# KiCad board kim-1.kicad_pcb (continued)
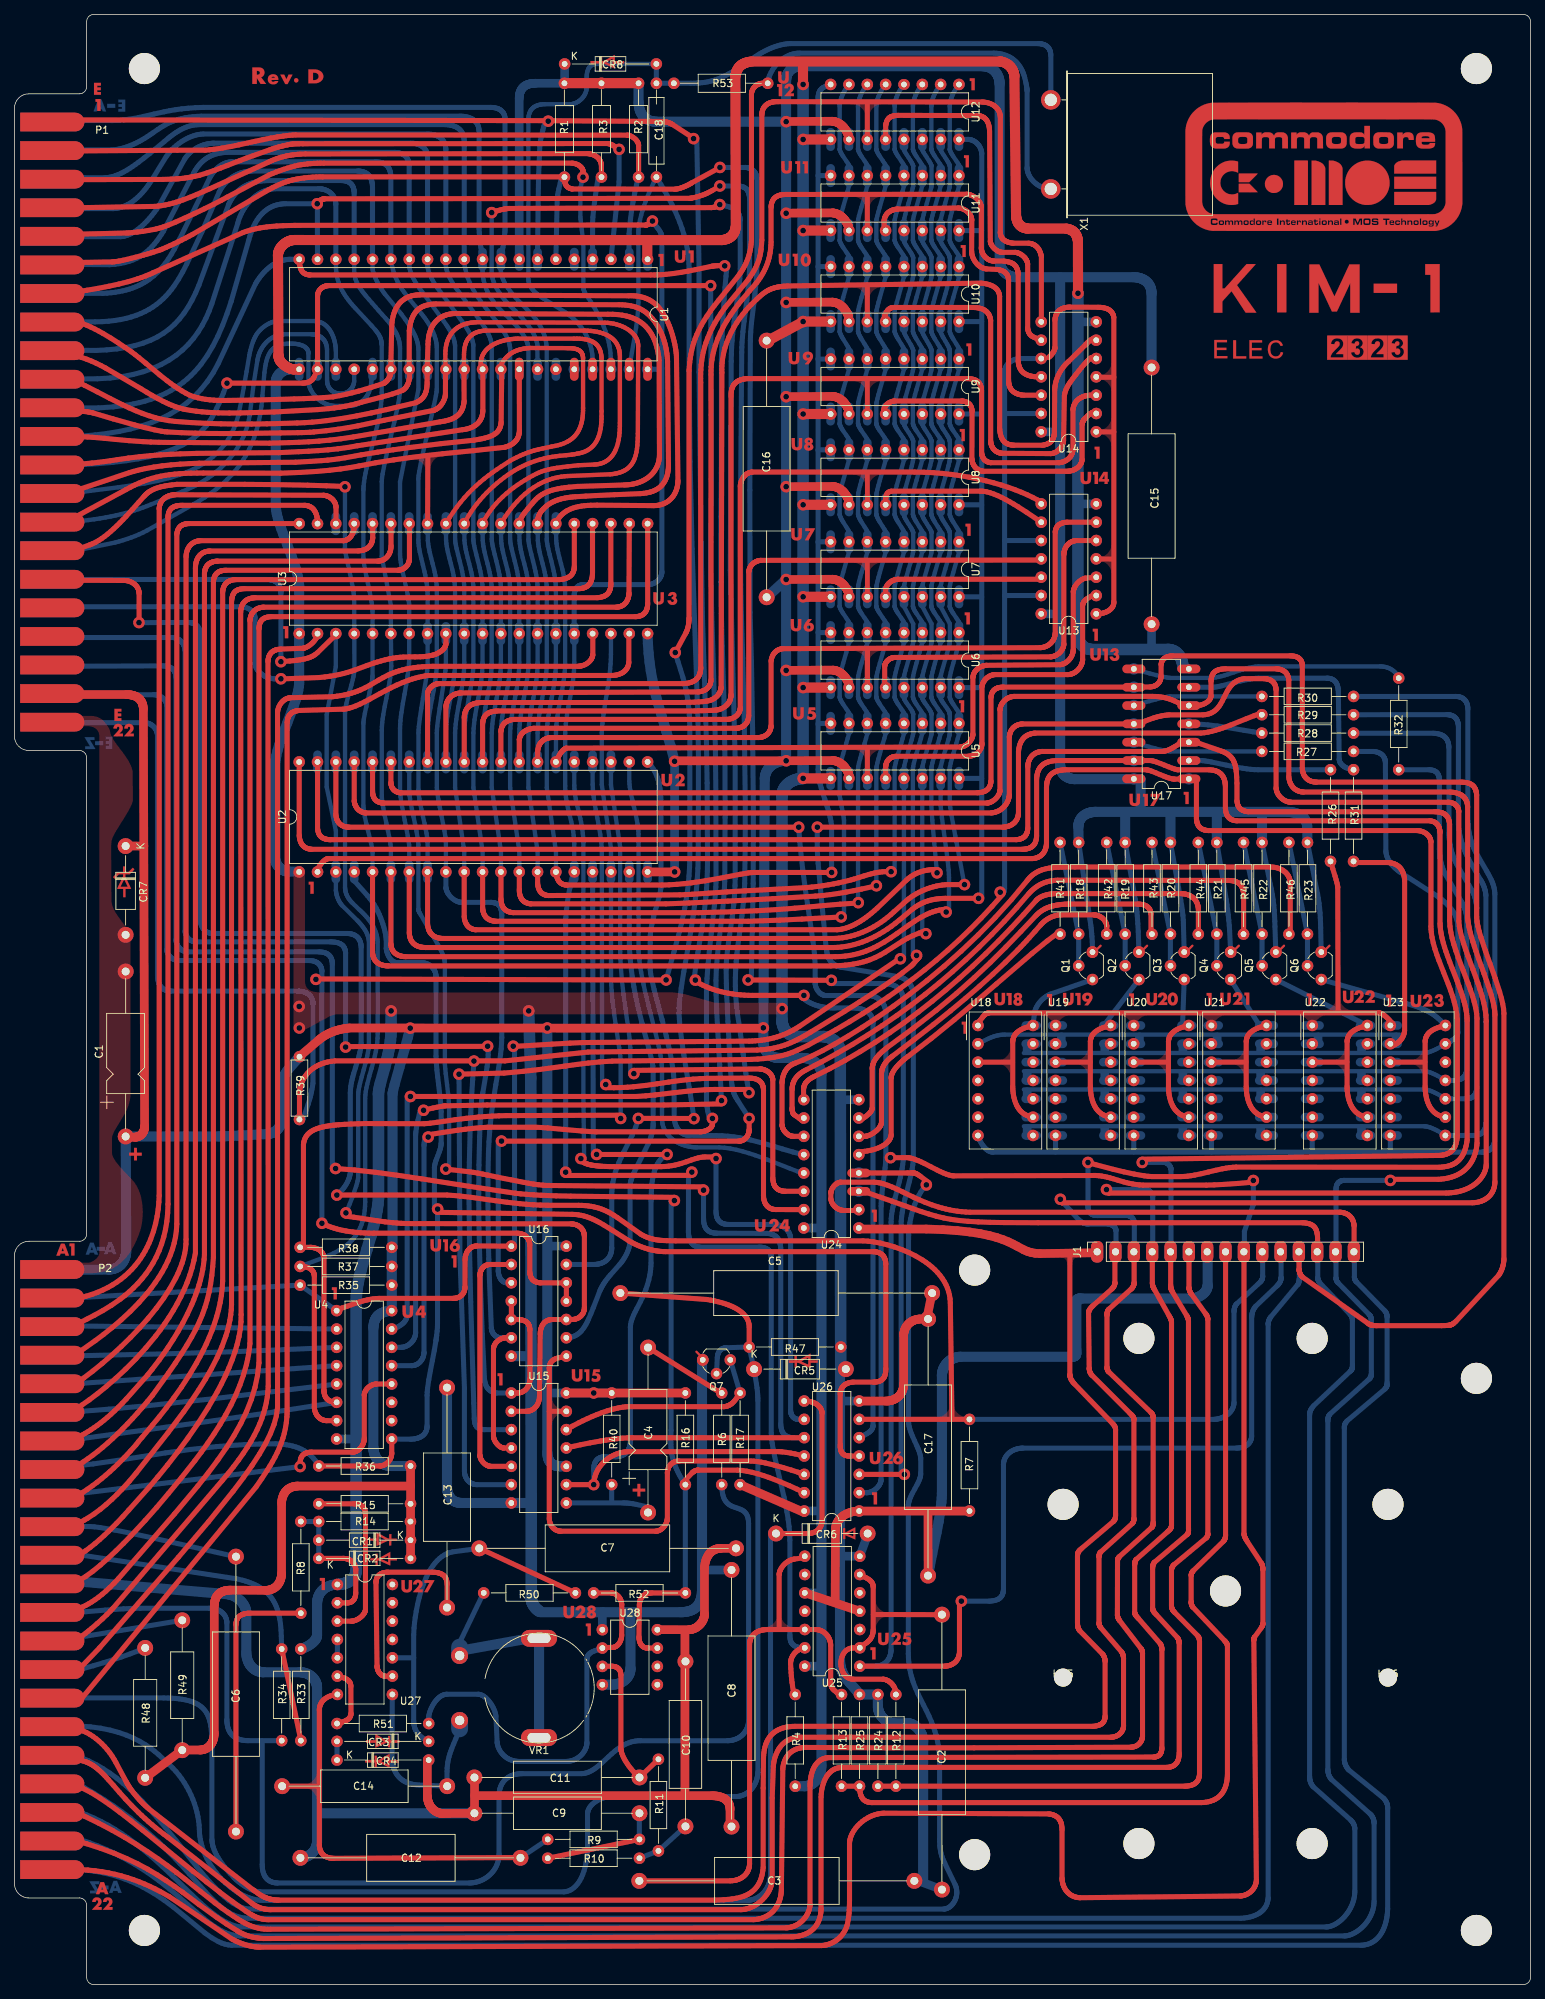
[diagram p0: board, top side]
## Routing (per net, layer and track width the routed paths; a pad name or vN(x,y) marks a point on that pad's centre or on a via; arc(x,y) is an arc through that point) (continued)
  vias: v1(41.76,139.29) v1(42.59,105.49) v1(90.26,139.21) v1(91.53,184.58)
/Ø1: length 92.4
  Top w0.7: 83.67,254.35 83.57,254.41 83.38,254.54 83.19,254.67 83.09,254.74 82.99,254.8 82.89,254.85 82.79,254.91 82.69,254.96 82.59,255 82.49,255.04 82.38,255.07 82.27,255.09 82.22,255.1 82.16,255.11 39.95,255.08 39.42,255.07 39.15,255.07 38.87,255.06 38.59,255.04 38.46,255.03 38.32,255.02 38.19,255 38.05,254.98 37.93,254.95 37.8,254.92 37.18,254.78 36.89,254.71 36.6,254.63 36.3,254.55 36,254.46 35.7,254.36 35.38,254.25 33.06,253.42 32.14,253.1 31.25,252.76 29.49,252.07 28.58,251.72 27.64,251.37 26.65,251.03 25.6,250.7 24.94,250.56 24.63,250.5 24.31,250.44 23.99,250.38 23.64,250.33 23.26,250.28 22.85,250.24 22.63,250.22 22.36,250.2 21.73,250.18 20.53,250.14 7.56,250.1
  Bottom w0.7: 82.62,239.07 83.75,249.78 83.75,254.31
  vias: v1(83.75,254.3)
/Ø2: length 197.6
  Top w0.7: 36.94,183.32 38.16,183.41 38.68,183.46 39.14,183.51 39.55,183.57 39.91,183.64 40.23,183.7 40.52,183.78 40.77,183.85 40.99,183.94 41.19,184.02 41.37,184.12 41.53,184.22 41.68,184.32 41.97,184.55 44.62,187.16 ; 45.93,106.47 47.02,106.33 48.09,106.17 50.23,105.84 51.32,105.69 52.43,105.57 53,105.52 53.58,105.49 54.17,105.46 54.78,105.45 77.06,105.41 77.16,105.41 77.26,105.4 77.36,105.39 77.45,105.37 77.55,105.35 77.64,105.33 77.73,105.3 77.81,105.28 77.89,105.24 77.98,105.21 78.05,105.17 78.13,105.12 78.2,105.08 78.27,105.03 78.34,104.98 78.4,104.92 78.46,104.87 78.52,104.8 78.57,104.74 78.63,104.68 78.67,104.61 78.72,104.54 78.76,104.46 78.79,104.39 78.83,104.31 78.85,104.23 78.88,104.15 78.9,104.06 78.92,103.97 78.93,103.89 78.94,103.79 78.94,103.7 78.94,93.82 78.94,93.73 78.94,93.64 78.92,93.55 78.91,93.46 78.89,93.37 78.87,93.29 78.84,93.21 78.81,93.13 78.77,93.06 78.73,92.99 78.69,92.92 78.64,92.85 78.59,92.79 78.54,92.72 78.49,92.67 78.43,92.61 78.37,92.56 78.3,92.51 78.24,92.46 78.17,92.42 78.1,92.38 78.03,92.34 77.96,92.31 77.88,92.28 77.81,92.25 77.73,92.23 77.65,92.21 77.57,92.19 77.49,92.18 77.41,92.17 77.33,92.16 77.25,92.16 74.45,92.16 74.36,92.15 74.27,92.14 74.18,92.13 74.09,92.11 74.01,92.08 73.93,92.06 73.85,92.03 73.77,91.99 73.7,91.96 73.63,91.91 73.56,91.87 73.5,91.82 73.44,91.77 73.38,91.71 73.32,91.65 73.27,91.59 73.22,91.52 73.18,91.45 73.13,91.38 73.09,91.31 73.05,91.23 73.02,91.15 72.98,91.06 72.95,90.98 72.93,90.89 72.9,90.79 72.88,90.7 72.86,90.6 72.85,90.5 72.84,90.39 72.82,90.18 72.72,81.38 72.71,81.29 72.7,81.2 72.67,81.02 72.63,80.84 72.57,80.66 72.5,80.5 72.46,80.42 72.41,80.34 72.36,80.26 72.31,80.18 72.26,80.11 72.2,80.04 72.14,79.97 72.07,79.91 72,79.85 71.93,79.79 71.86,79.74 71.78,79.69 71.7,79.64 71.62,79.6 71.54,79.56 71.45,79.53 71.36,79.5 71.27,79.48 71.17,79.46 71.07,79.44 70.97,79.43 70.87,79.43 68.84,79.43
  Bottom w0.6: 45.92,106.89 46.18,107.53 46.45,108.19 46.76,108.99 47.07,109.84 47.34,110.65 47.45,111.02 47.53,111.35 47.59,111.63 47.61,111.85 47.61,123.34 47.63,123.67 47.69,124.04 47.76,124.44 47.86,124.86 48.1,125.77 48.37,126.74 48.64,127.72 48.76,128.2 48.87,128.68 48.96,129.15 49.04,129.59 49.08,130.02 49.1,130.43 49.1,144.51 49.08,144.71 49.05,144.91 49.01,145.11 48.95,145.31 48.88,145.5 48.79,145.69 48.7,145.88 48.6,146.06 48.48,146.25 48.36,146.42 48.23,146.6 48.09,146.78 47.95,146.95 47.8,147.12 47.64,147.29 47.48,147.46 45.4,149.52 45.3,149.62 45.21,149.74 45.13,149.86 45.05,149.99 44.97,150.13 44.9,150.27 44.83,150.41 44.77,150.56 44.72,150.7 44.67,150.85 44.63,151 44.59,151.14 44.56,151.29 44.54,151.43 44.53,151.56 44.52,151.69 44.52,159.86 43.25,165.95 43.25,175.97 44.51,182.62 44.51,187.19
  Bottom w0.7: 36.91,183.3 36.91,192.77 36.9,192.9 36.9,193.02 36.89,193.13 36.87,193.25 36.85,193.35 36.83,193.46 36.8,193.55 36.77,193.65 36.73,193.74 36.69,193.82 36.65,193.9 36.6,193.98 36.55,194.05 36.49,194.12 36.43,194.19 36.37,194.25 36.3,194.31 36.23,194.36 36.16,194.41 36.08,194.45 36,194.49 35.91,194.53 35.82,194.56 35.73,194.59 35.64,194.62 35.54,194.64 35.43,194.66 35.33,194.68 35.11,194.7 34.87,194.7 7.58,194.7
  vias: v1(36.91,183.31) v1(45.92,106.93)
RS: length 133.6
  Top w0.7: 167.76,101.53 167.76,62.29 167.75,62.18 167.75,62.12 167.74,62.06 167.73,62.01 167.72,61.95 167.71,61.9 167.69,61.84 167.68,61.79 167.66,61.73 167.63,61.68 167.6,61.63 167.57,61.57 167.54,61.52 167.5,61.47 167.45,61.41 163.28,57.34 163.25,57.31 163.22,57.27 163.19,57.24 163.17,57.2 163.14,57.16 163.12,57.12 163.09,57.08 163.07,57.04 163.06,57 163.04,56.96 163.02,56.91 163.01,56.87 163,56.82 162.99,56.77 162.99,56.72 162.99,56.67 162.99,53.06 162.99,53.01 162.99,52.96 162.99,52.91 163,52.86 163,52.81 163.01,52.76 163.02,52.71 163.04,52.66 163.05,52.61 163.07,52.57 163.09,52.52 163.11,52.47 163.14,52.42 163.17,52.38 163.2,52.33 163.23,52.28 167.62,47.65 167.67,47.6 167.72,47.55 167.76,47.49 167.8,47.44 167.84,47.4 167.87,47.35 167.9,47.3 167.93,47.26 167.95,47.21 167.97,47.17 167.98,47.13 167.99,47.08 168,47.04 168.01,47 168.01,46.95 168.01,46.91 168.01,29.17 168.01,28.88 167.99,28.61 167.96,28.36 167.92,28.11 167.87,27.88 167.82,27.66 167.75,27.45 167.68,27.25 167.6,27.06 167.51,26.89 167.42,26.72 167.32,26.57 167.21,26.42 167.09,26.29 166.97,26.16 166.85,26.05 166.72,25.94 166.58,25.84 166.44,25.75 166.3,25.67 166.15,25.59 166,25.53 165.69,25.41 165.37,25.33 165.04,25.27 164.7,25.23 164.37,25.21 118.83,25.21 118.68,25.22 118.54,25.23 118.4,25.25 118.28,25.28 118.16,25.31 118.05,25.35 117.95,25.39 117.86,25.44 117.77,25.5 117.69,25.56 117.61,25.62 117.55,25.69 117.49,25.77 117.43,25.84 117.38,25.92 117.33,26.01 117.29,26.09 117.26,26.18 117.23,26.27 117.2,26.36 117.17,26.46 117.15,26.55 117.12,26.74 117.1,26.94 117.08,27.13 117.07,27.49 114.57,27.49
SST: length 305.2
  Top w0.7: 44.65,109.4 59.95,109.4 60.83,109.34 61.69,109.26 63.35,109.08 66.59,108.62 68.26,108.4 70,108.2 70.91,108.12 71.86,108.06 72.85,108.01 73.88,107.98 78.13,107.98 78.61,107.97 79.07,107.94 79.5,107.89 79.9,107.83 80.28,107.76 80.64,107.67 80.98,107.57 81.3,107.46 81.61,107.34 81.91,107.21 82.19,107.07 82.47,106.93 83,106.61 83.51,106.28 86.74,103.99 87.05,103.82 87.35,103.67 87.66,103.54 87.96,103.43 88.27,103.34 88.57,103.27 88.87,103.21 89.17,103.17 89.47,103.13 89.77,103.11 90.36,103.08 91.56,103.06 117.53,103.06 118.24,103.01 119.05,102.91 119.93,102.74 120.88,102.51 121.86,102.22 122.87,101.86 123.87,101.44 124.85,100.95 125.8,100.39 126.25,100.08 126.68,99.76 127.09,99.42 127.48,99.06 127.85,98.68 128.19,98.29 128.5,97.87 128.78,97.44 129.02,96.99 129.23,96.52 129.39,96.03 129.52,95.52 129.6,95 129.63,94.45 129.86,78.36 ; 117.02,78.32 132.29,78.32 ; 17.27,188.65 17.27,192.76 17.26,192.86 17.25,192.96 17.24,193.06 17.22,193.16 17.19,193.25 17.16,193.34 17.12,193.43 17.08,193.51 17.03,193.59 16.98,193.67 16.93,193.75 16.86,193.82 16.8,193.89 16.73,193.96 16.66,194.02 16.59,194.08 16.51,194.14 16.43,194.2 16.26,194.29 16.09,194.38 15.9,194.45 15.72,194.5 15.53,194.54 15.34,194.56 15.24,194.56 15.15,194.56 7.9,194.59
  Bottom w0.7: 44.66,109.4 44.91,109.61 45.17,109.87 45.32,110.04 45.48,110.22 45.65,110.43 45.81,110.66 45.96,110.91 46.11,111.18 46.24,111.47 46.3,111.62 46.36,111.78 46.41,111.94 46.45,112.1 46.49,112.27 46.52,112.44 46.52,123.56 46.54,124.01 46.59,124.47 46.66,124.91 46.75,125.35 46.86,125.78 46.98,126.21 47.24,127.07 47.51,127.91 47.63,128.33 47.75,128.75 47.85,129.17 47.93,129.6 47.99,130.02 48.02,130.45 48.02,143.73 48.01,143.94 48,144.04 47.99,144.14 47.97,144.24 47.95,144.33 47.92,144.42 47.89,144.51 47.86,144.6 47.82,144.68 47.78,144.76 47.74,144.84 47.69,144.92 47.64,144.99 47.58,145.05 47.52,145.12 47.46,145.18 47.39,145.24 47.32,145.29 47.24,145.34 47.16,145.39 47.08,145.43 46.99,145.47 46.9,145.51 46.81,145.54 46.71,145.57 46.61,145.59 46.5,145.61 46.39,145.63 46.28,145.64 46.16,145.65 46.04,145.65 27.45,145.65 27.34,145.65 27.24,145.66 27.14,145.68 27.04,145.7 26.95,145.73 26.86,145.76 26.77,145.8 26.68,145.84 26.6,145.89 26.53,145.94 26.46,145.99 26.39,146.05 26.32,146.11 26.26,146.18 26.2,146.24 26.14,146.32 26.09,146.39 26.04,146.47 25.96,146.63 25.88,146.81 25.82,146.99 25.77,147.17 25.74,147.36 25.72,147.55 25.71,147.75 25.71,187.15 25.71,187.25 25.7,187.34 25.69,187.43 25.68,187.52 25.66,187.61 25.64,187.69 25.61,187.76 25.59,187.84 25.55,187.91 25.52,187.98 25.48,188.05 25.44,188.11 25.39,188.17 25.34,188.23 25.29,188.29 25.23,188.34 25.17,188.39 25.11,188.43 25.04,188.48 24.97,188.52 24.9,188.55 24.83,188.59 24.75,188.62 24.66,188.65 24.58,188.67 24.49,188.69 24.3,188.72 24.1,188.74 23.89,188.75 17.24,188.71 ; 132.28,78.32 166.14,78.32 166.27,78.32 166.39,78.34 166.51,78.35 166.63,78.37 166.75,78.4 166.87,78.43 167,78.46 167.12,78.5 167.23,78.54 167.35,78.59 167.47,78.64 167.58,78.7 167.69,78.76 167.8,78.82 167.9,78.89 168,78.97 168.1,79.04 168.19,79.13 168.28,79.21 168.37,79.3 168.45,79.4 168.52,79.49 168.59,79.6 168.66,79.7 168.71,79.81 168.77,79.92 168.81,80.04 168.85,80.16 168.88,80.28 168.9,80.41 168.92,80.54 168.92,80.68 168.92,93.23 168.93,93.32 168.93,93.42 168.94,93.5 168.95,93.59 168.97,93.67 168.99,93.75 169.01,93.82 169.03,93.89 169.06,93.96 169.09,94.02 169.12,94.08 169.15,94.14 169.18,94.19 169.22,94.24 169.26,94.29 169.3,94.34 172.26,97.07 172.51,97.3 172.56,97.36 172.61,97.41 172.66,97.47 172.71,97.53 172.75,97.59 172.79,97.66 172.8,97.69 172.82,97.73 172.83,97.77 172.84,97.81 172.86,97.85 172.87,97.89 172.87,97.93 172.88,97.98 172.89,98.03 172.89,98.08 172.89,98.13 172.89,98.19 172.89,101.54
  vias: v1(17.25,188.73) v1(44.66,109.4)
ST: length 122.4
  Top w0.7: 162.68,101.55 162.68,96.59 162.69,96.53 162.69,96.47 162.7,96.41 162.71,96.35 162.73,96.29 162.74,96.24 162.76,96.18 162.78,96.12 162.8,96.07 162.82,96.02 162.85,95.96 162.88,95.91 162.91,95.86 162.94,95.81 162.97,95.76 163,95.71 164.96,92.99 165.03,92.91 165.06,92.86 165.09,92.82 165.12,92.77 165.14,92.72 165.17,92.68 165.19,92.62 165.22,92.57 165.24,92.52 165.25,92.46 165.27,92.4 165.28,92.34 165.29,92.28 165.3,92.21 165.3,92.15 165.3,62.48 165.3,62.44 165.3,62.4 165.3,62.35 165.29,62.31 165.28,62.27 165.27,62.23 165.26,62.19 165.24,62.15 165.23,62.11 165.21,62.07 165.19,62.03 165.16,61.99 165.13,61.96 165.1,61.92 165.06,61.89 165.02,61.85 160.63,58.19 160.58,58.15 160.54,58.11 160.51,58.06 160.47,58.02 160.44,57.97 160.41,57.93 160.38,57.88 160.36,57.83 160.34,57.78 160.32,57.73 160.3,57.68 160.29,57.62 160.28,57.57 160.27,57.51 160.27,57.45 160.26,57.4 160.26,52.51 160.27,52.44 160.27,52.38 160.28,52.31 160.29,52.25 160.31,52.19 160.33,52.13 160.35,52.06 160.38,52 160.4,51.95 160.44,51.89 160.47,51.83 160.51,51.78 160.56,51.72 160.6,51.67 160.65,51.61 160.71,51.56 163.89,48.33 163.92,48.29 163.96,48.25 163.99,48.21 164.01,48.16 164.04,48.12 164.06,48.07 164.07,48.02 164.09,47.97 164.1,47.92 164.11,47.87 164.12,47.82 164.13,47.77 164.14,47.71 164.14,47.65 164.14,47.6 164.15,47.54 164.15,29.25 164.14,29.11 164.13,28.98 164.11,28.86 164.09,28.74 164.06,28.63 164.03,28.53 163.99,28.43 163.94,28.34 163.9,28.26 163.84,28.18 163.79,28.11 163.73,28.04 163.66,27.98 163.6,27.92 163.53,27.87 163.45,27.82 163.38,27.77 163.3,27.73 163.22,27.7 163.14,27.66 162.97,27.61 162.79,27.57 162.61,27.53 162.43,27.51 162.25,27.5 162.08,27.48 119.57,27.48
~{NMI}: length 451
  Top w0.7: 76.21,250.1 76.23,249.94 76.23,249.86 76.25,249.78 76.26,249.7 76.28,249.63 76.3,249.55 76.33,249.48 76.36,249.42 76.37,249.39 76.39,249.36 76.43,249.3 76.47,249.24 76.51,249.19 76.56,249.14 76.6,249.1 76.66,249.05 76.71,249.01 76.77,248.98 76.83,248.95 76.89,248.92 76.95,248.89 77.02,248.87 77.09,248.85 77.16,248.84 77.23,248.82 77.3,248.81 91.46,248.79 91.6,248.79 91.75,248.81 91.9,248.84 92.07,248.88 92.23,248.93 92.4,248.98 92.57,249.05 92.74,249.11 92.9,249.18 93.06,249.25 93.22,249.33 93.36,249.4 93.5,249.47 93.62,249.54 93.73,249.61 93.82,249.67 97.74,251.81 ; 7.78,238.61 13.54,238.71 13.75,238.72 13.98,238.75 14.48,238.82 15.01,238.93 15.58,239.06 16.15,239.2 16.74,239.35 17.85,239.64 18.2,239.74 18.57,239.85 18.95,239.97 19.33,240.09 20,240.31 20.26,240.4 20.43,240.46 21.02,240.72 21.59,240.98 22.14,241.24 22.67,241.5 23.19,241.75 23.69,242 24.17,242.26 24.64,242.5 34.78,248.46 35.24,248.72 35.71,248.97 36.2,249.21 36.68,249.43 37.16,249.63 37.61,249.8 37.83,249.87 38.04,249.94 38.24,249.99 38.44,250.04 38.72,250.11 39,250.17 39.29,250.22 39.58,250.27 40.16,250.35 40.74,250.41 41.29,250.45 41.8,250.48 42.27,250.49 42.68,250.49 76.18,250.49 ; 130.9,53.15 130.9,46.15 130.9,46.04 130.89,45.93 130.88,45.83 130.86,45.73 130.84,45.63 130.81,45.53 130.79,45.43 130.75,45.34 130.71,45.25 130.67,45.17 130.63,45.08 130.58,45 130.52,44.92 130.46,44.85 130.4,44.78 130.33,44.71 130.27,44.64 130.19,44.58 130.11,44.52 130.03,44.47 129.95,44.42 129.86,44.37 129.77,44.32 129.68,44.28 129.58,44.25 129.48,44.22 129.37,44.19 129.27,44.17 129.16,44.15 129.04,44.13 128.93,44.12 128.81,44.11 117.11,44.12 ; 101.64,139.21 113.16,139.16
  Bottom w0.7: 117.08,44.12 119.28,44.12 119.4,44.13 119.51,44.14 119.62,44.15 119.73,44.17 119.84,44.19 119.94,44.22 120.04,44.26 120.14,44.3 120.24,44.34 120.33,44.39 120.42,44.44 120.5,44.5 120.59,44.56 120.67,44.63 120.74,44.7 120.82,44.77 120.88,44.85 120.95,44.93 121.01,45.02 121.07,45.11 121.12,45.2 121.17,45.29 121.22,45.39 121.26,45.5 121.29,45.6 121.33,45.71 121.35,45.83 121.38,45.94 121.4,46.06 121.41,46.18 121.42,46.3 121.42,46.43 121.42,105.67 121.44,106.17 121.5,106.69 121.58,107.24 121.69,107.79 121.96,108.94 122.27,110.12 122.58,111.31 122.72,111.9 122.85,112.49 122.96,113.07 123.04,113.64 123.1,114.2 123.12,114.74 123.12,136.42 123.1,136.63 123.07,136.82 123.04,137 122.99,137.17 122.94,137.32 122.88,137.47 122.81,137.6 122.74,137.73 122.65,137.84 122.56,137.95 122.47,138.04 122.37,138.13 122.26,138.21 122.15,138.28 122.04,138.35 121.92,138.41 121.8,138.46 121.67,138.5 121.41,138.58 121.14,138.63 120.87,138.67 120.6,138.69 120.33,138.7 119.81,138.71 113.15,138.71 ; 74.99,239.08 75.18,247.32 75.19,247.49 75.2,247.66 75.22,247.84 75.25,248.03 75.32,248.42 75.41,248.82 75.6,249.65 75.7,250.06 75.78,250.46 ; 102.06,139.21 102.33,152.59 102.35,162.52 102.25,173.42 102.08,183.29 101.9,190.15 101.86,207.05 101.93,227.76 101.95,228.37 101.98,228.99 102.09,230.24 102.4,232.89 102.57,234.27 102.71,235.71 102.81,237.2 102.84,237.96 102.85,238.74 102.85,250.18 102.84,250.27 102.83,250.36 102.82,250.44 102.81,250.52 102.79,250.61 102.77,250.68 102.74,250.76 102.71,250.83 102.68,250.91 102.65,250.98 102.61,251.04 102.57,251.11 102.53,251.17 102.48,251.23 102.43,251.28 102.38,251.34 102.32,251.39 102.27,251.44 102.21,251.48 102.14,251.52 102.08,251.56 102.01,251.6 101.95,251.63 101.88,251.66 101.8,251.69 101.73,251.72 101.65,251.74 101.57,251.76 101.49,251.77 101.41,251.78 101.33,251.79 101.24,251.8 97.71,251.8 ; 131.14,53.13 134.96,53.13 135.18,53.14 135.4,53.16 135.6,53.19 135.79,53.23 135.97,53.28 136.13,53.34 136.21,53.38 136.28,53.41 136.35,53.46 136.42,53.5 136.48,53.55 136.54,53.6 136.6,53.65 136.65,53.71 136.7,53.77 136.74,53.84 136.78,53.91 136.82,53.98 136.85,54.06 136.88,54.14 136.91,54.22 136.93,54.31 136.95,54.41 136.97,54.51 136.98,54.61 136.99,54.72 136.99,72.03 137,72.16 137.01,72.29 137.03,72.41 137.05,72.53 137.08,72.64 137.12,72.76 137.17,72.87 137.22,72.97 137.27,73.08 137.33,73.17 137.4,73.27 137.47,73.36 137.55,73.45 137.63,73.54 137.71,73.62 137.8,73.69 137.9,73.77 138,73.84 138.1,73.9 138.2,73.96 138.31,74.02 138.42,74.07 138.54,74.12 138.66,74.16 138.78,74.2 138.9,74.23 139.03,74.26 139.16,74.29 139.29,74.31 139.42,74.32 139.56,74.33 139.69,74.34 169.26,74.34 169.48,74.35 169.69,74.37 169.9,74.4 170.09,74.45 170.28,74.52 170.36,74.55 170.45,74.59 170.53,74.64 170.61,74.68 170.68,74.73 170.76,74.78 170.83,74.84 170.89,74.9 170.95,74.96 171.01,75.03 171.06,75.09 171.11,75.17 171.16,75.24 171.2,75.32 171.24,75.4 171.27,75.48 171.3,75.57 171.32,75.66 171.34,75.75 171.35,75.85 171.36,75.95 171.37,76.05 171.37,92.4 171.37,92.51 171.38,92.62 171.39,92.73 171.4,92.84 171.42,92.95 171.45,93.05 171.48,93.15 171.51,93.26 171.54,93.36 171.59,93.46 171.63,93.55 171.69,93.65 171.74,93.74 171.81,93.84 171.88,93.93 171.95,94.02 174.86,96.8 174.92,96.86 174.98,96.92 175.03,96.98 175.09,97.04 175.14,97.1 175.19,97.17 175.23,97.24 175.27,97.31 175.31,97.38 175.34,97.46 175.36,97.5 175.37,97.54 175.39,97.58 175.4,97.63 175.41,97.67 175.42,97.71 175.43,97.76 175.43,97.81 175.44,97.85 175.44,97.9 175.45,97.95 175.45,98 175.45,101.56
  vias: v1(97.72,251.8) v1(101.62,139.21) v1(113.15,139.16) v1(131.16,53.13)
Net-(#FLG0101-pwr): length 50.5
  Top w0.7: 64.38,60.45 77.71,54.27
  Bottom w0.7: 52.36,45.28 55.3,45.28 ; 64.4,60.44 60.7,59.96 60.29,59.86 59.9,59.71 59.54,59.52 59.19,59.29 58.86,59.03 58.55,58.73 58.25,58.4 57.98,58.05 57.72,57.67 57.47,57.27 57.24,56.84 57.03,56.41 56.65,55.49 56.33,54.54 56.05,53.59 55.83,52.64 55.65,51.73 55.51,50.88 55.41,50.1 55.35,49.42 55.3,48.46 55.3,36.56 55.3,36.42 55.31,36.29 55.32,36.17 55.34,36.04 55.36,35.92 55.38,35.81 55.41,35.69 55.44,35.58 55.48,35.47 55.52,35.37 55.57,35.27 55.62,35.17 55.67,35.07 55.73,34.98 55.79,34.89 55.86,34.81 56,34.64 56.15,34.48 56.32,34.34 56.5,34.2 56.69,34.08 56.89,33.96 57.11,33.85 57.33,33.75
Net-(C4-Pad1): length 13.8
  Bottom w0.7: 76.44,66.74 84.32,66.74 84.56,66.73 84.79,66.73 85.01,66.71 85.23,66.68 85.45,66.66 85.67,66.62 86.1,66.54 87.79,66.17 ; 82.73,69.27 82.73,66.91
Net-(C4-Pad2): length 11.6
  Top w0.7: 87.76,88.27 97.58,82.13
Net-(C6-Pad1): length 38.6
  Top w0.7: 30.73,50.31 30.71,50.22 30.7,50.12 30.69,50.03 30.68,49.93 30.68,49.82 30.68,21.15 ; 30.74,50.35 30.76,50.44 ; 30.76,50.39 30.78,50.48 30.81,50.55 30.85,50.63 30.89,50.7 30.93,50.77 30.97,50.84 31.02,50.9 31.08,50.96 31.14,51.01 31.2,51.07 31.26,51.11 31.33,51.16 31.4,51.2 31.48,51.24 31.56,51.28 31.64,51.31 31.73,51.34 31.82,51.37 31.91,51.39 32.01,51.41 32.11,51.43 32.22,51.44 32.33,51.45 32.44,51.46 32.67,51.46 39.67,51.46
Net-(C9-Pad2): length 16.6
  Top w0.7: 73.89,17.51 86.56,20.11
  Bottom w0.7: 86.56,20.12 86.56,23.74
Net-(C10-Pad2): length 7.9
  Bottom w0.7: 86.55,17.51 89.18,18.52 92.94,21.93
Net-(CR1-A): length 20.2
  Top w0.7: 42.18,59.06 45.51,59.06 45.6,59.05 45.7,59.05 45.79,59.04 45.88,59.02 45.97,59.01 46.06,58.99 46.14,58.96 46.22,58.94 46.3,58.91 46.38,58.87 46.45,58.84 46.52,58.8 46.59,58.76 46.66,58.71 46.72,58.66 46.78,58.61 46.84,58.55 46.89,58.5 46.94,58.44 46.99,58.37 47.03,58.31 47.07,58.24 47.11,58.17 47.15,58.09 47.18,58.02 47.2,57.94 47.22,57.86 47.24,57.77 47.26,57.69 47.27,57.6 47.27,57.51 47.27,57.42 47.27,54.32 47.27,54.18 47.26,54.04 47.24,53.91 47.21,53.78 47.17,53.66 47.12,53.54 47.1,53.49 47.07,53.43 47.04,53.38 47,53.33 46.97,53.28 46.93,53.23 46.89,53.19 46.84,53.15 46.79,53.11 46.74,53.08 46.69,53.04 46.64,53.01 46.58,52.99 46.52,52.96 46.45,52.94 46.38,52.93 46.31,52.91 46.24,52.9 46.16,52.9 46.08,52.89 44.74,52.89
  Bottom w0.7: 42.16,64.21 42.16,59.06 ; 39.67,64.16 42.16,64.16
Net-(CR3-A): length 2.6
  Bottom w0.7: CR3.2 CR4.1
Net-(CR8-A): length 127.2
  Bottom w0.6: 88.91,266.14 80.59,266.14 80.51,266.14 80.43,266.13 80.36,266.12 80.29,266.11 80.22,266.09 80.15,266.07 80.09,266.04 80.02,266.01 79.96,265.98 79.91,265.94 79.85,265.9 79.8,265.86 79.75,265.81 79.7,265.76 79.66,265.71 79.61,265.65 79.57,265.59 79.53,265.53 79.47,265.4 79.41,265.25 79.36,265.09 79.32,264.92 79.29,264.73 79.27,264.54 79.25,264.34 79.25,262.86 79.25,262.74 79.24,262.63 79.22,262.52 79.19,262.41 79.16,262.3 79.13,262.19 79.09,262.09 79.04,261.98 78.99,261.88 78.93,261.79 78.87,261.69 78.81,261.6 78.74,261.51 78.66,261.42 78.59,261.34 78.51,261.25 78.42,261.18 78.34,261.1 78.25,261.04 78.16,260.97 78.07,260.91 77.97,260.85 77.87,260.8 77.78,260.75 77.68,260.71 77.58,260.67 77.47,260.64 77.37,260.61 77.27,260.59 77.17,260.57 77.07,260.56 76.96,260.56 73.49,260.56 73.24,260.55 73,260.53 72.88,260.51 72.77,260.49 72.66,260.46 72.56,260.44 72.45,260.4 72.36,260.37 72.26,260.33 72.17,260.29 72.08,260.24 72,260.19 71.92,260.13 71.85,260.07 71.77,260.01 71.71,259.94 71.64,259.87 71.58,259.8 71.53,259.72 71.47,259.63 71.43,259.54 71.38,259.45 71.34,259.35 71.31,259.25 71.28,259.14 71.25,259.02 71.23,258.91 71.21,258.79 71.2,258.66 71.19,258.53 71.19,236.33 71.2,236.14 71.23,235.96 71.27,235.78 71.33,235.6 71.4,235.43 71.49,235.26 71.6,235.1 71.72,234.93 71.86,234.77 72.01,234.61 72.18,234.45 72.36,234.29 72.57,234.12 72.79,233.96 73.02,233.79 73.28,233.62 76.3,231.72 76.63,231.49 76.93,231.26 77.22,231.02 77.49,230.78 77.74,230.53 77.98,230.28 78.2,230.04 78.4,229.79 78.59,229.54 78.76,229.29 78.92,229.05 79.06,228.8 79.2,228.56 79.32,228.32 79.42,228.09 79.52,227.86 79.69,227.42 79.81,227.01 79.91,226.63 79.98,226.29 80.02,226 80.05,225.75 80.07,225.43 80.09,223.83
  Bottom w0.7: 88.91,266.14 88.91,263.46 91.33,263.46 93.68,263.46 94.11,263.47 94.52,263.48 94.91,263.51 95.29,263.55 95.66,263.6 96.02,263.66 96.38,263.73 96.72,263.83 97.07,263.93 97.42,264.06 97.78,264.2 98.14,264.36 98.51,264.54 98.89,264.74 99.29,264.96 99.7,265.2 102.67,267.18 102.96,267.37 103.26,267.55 103.56,267.72 103.86,267.89 104.16,268.04 104.47,268.18 104.78,268.32 105.08,268.44 105.39,268.55 105.7,268.65 106,268.74 106.3,268.81 106.61,268.87 106.9,268.91 107.2,268.94 107.49,268.96 141.78,268.96 141.99,268.95 142.09,268.94 142.19,268.92 142.28,268.91 142.37,268.89 142.46,268.87 142.54,268.84 142.62,268.81 142.7,268.78 142.77,268.75 142.84,268.71 142.91,268.67 142.97,268.62 143.03,268.58 143.09,268.53 143.14,268.47 143.19,268.42 143.24,268.36 143.28,268.3 143.32,268.23 143.36,268.16 143.39,268.09 143.42,268.02 143.45,267.94 143.47,267.86 143.49,267.78 143.51,267.69 143.53,267.6 143.54,267.51 143.55,267.32 143.55,261.12
Net-(P1-PLL): length 239.8
  Top w0.7: 44.5,113.08 47.12,112.88 50.01,112.56 53.09,112.14 56.32,111.66 62.94,110.62 69.39,109.65 70.12,109.57 70.97,109.49 71.92,109.43 72.93,109.38 75.03,109.29 77.05,109.25 91.39,109.08 ; 92.94,54.27 88.34,54.27 88.14,54.26 87.95,54.24 87.86,54.22 87.77,54.21 87.69,54.19 87.61,54.16 87.53,54.13 87.45,54.1 87.38,54.07 87.3,54.03 87.24,53.99 87.17,53.95 87.11,53.9 87.05,53.85 86.99,53.79 86.94,53.73 86.89,53.67 86.84,53.61 86.8,53.54 86.76,53.47 86.72,53.39 86.69,53.31 86.66,53.23 86.64,53.14 86.61,53.05 86.6,52.96 86.58,52.86 86.57,52.76 86.56,52.65 86.56,52.55 86.5,48.21 86.51,48.07 86.52,47.94 86.53,47.8 86.56,47.66 86.59,47.53 86.64,47.39 86.69,47.27 86.72,47.21 86.76,47.15 86.79,47.1 86.83,47.04 86.88,46.99 86.92,46.94 86.97,46.9 87.02,46.85 87.08,46.81 87.13,46.78 87.19,46.74 87.26,46.71 87.33,46.69 87.4,46.67 87.47,46.65 87.55,46.64 87.63,46.63 87.72,46.62 89.06,46.62 ; 92.56,69.51 93.87,70.92 93.91,70.95 93.95,70.99 93.99,71.03 94.04,71.06 94.08,71.09 94.13,71.12 94.18,71.15 94.23,71.17 94.29,71.2 94.34,71.22 94.37,71.23 94.41,71.24 94.44,71.24 94.47,71.25 94.5,71.26 94.54,71.26 94.57,71.27 94.61,71.27 94.65,71.28 94.69,71.28 94.73,71.28 94.77,71.28 100.13,71.28 100.77,71.24 101.46,71.14 102.18,70.98 102.94,70.78 103.71,70.54 104.48,70.28 105.97,69.71 107.31,69.14 108.4,68.64 109.4,68.16
  Bottom w0.7: 44.03,113.08 44.03,141.37 44.03,141.48 44.03,141.6 44.02,141.71 44,141.81 43.98,141.91 43.96,142.01 43.93,142.1 43.9,142.18 43.86,142.26 43.82,142.34 43.77,142.41 43.73,142.48 43.67,142.55 43.62,142.61 43.56,142.66 43.5,142.72 43.43,142.76 43.36,142.81 43.29,142.85 43.22,142.89 43.14,142.92 43.06,142.96 42.9,143.01 42.72,143.05 42.54,143.08 42.35,143.09 42.15,143.1 24.06,143.1 23.97,143.11 23.88,143.11 23.79,143.13 23.7,143.14 23.61,143.16 23.53,143.19 23.45,143.22 23.37,143.25 23.3,143.29 23.23,143.33 23.16,143.37 23.09,143.42 23.02,143.47 22.96,143.52 22.9,143.57 22.85,143.63 22.79,143.69 22.74,143.76 22.7,143.82 22.65,143.89 22.61,143.96 22.57,144.03 22.54,144.1 22.51,144.18 22.48,144.25 22.45,144.33 22.43,144.41 22.41,144.49 22.4,144.57 22.39,144.65 22.38,144.73 22.38,144.81 22.38,181.04 22.37,181.14 22.37,181.24 22.36,181.34 22.34,181.43 22.33,181.52 22.31,181.61 22.28,181.69 22.25,181.78 22.22,181.85 22.19,181.93 22.15,182 22.11,182.06 22.06,182.13 22.01,182.19 21.96,182.24 21.91,182.3 21.85,182.35 21.78,182.39 21.72,182.44 21.65,182.48 21.58,182.52 21.5,182.55 21.42,182.58 21.34,182.61 21.25,182.64 21.16,182.66 20.97,182.69 20.77,182.71 20.56,182.72 7.26,182.69 ; 90.95,108.65 90.95,76.83 90.92,75.26 90.93,74.85 90.94,74.44 90.98,74.02 91.04,73.59 91.13,73.13 91.25,72.66 91.41,72.17 91.5,71.91 91.61,71.65 91.73,71.38 91.86,71.1 92,70.82 92.16,70.52 92.33,70.22 92.51,69.91 92.71,69.59 92.93,69.27 92.93,54.25
  vias: v1(44.48,113.08) v1(91.41,108.64)
